# Altium PCB subboard.PcbDoc (part 1 of 2) (continued)
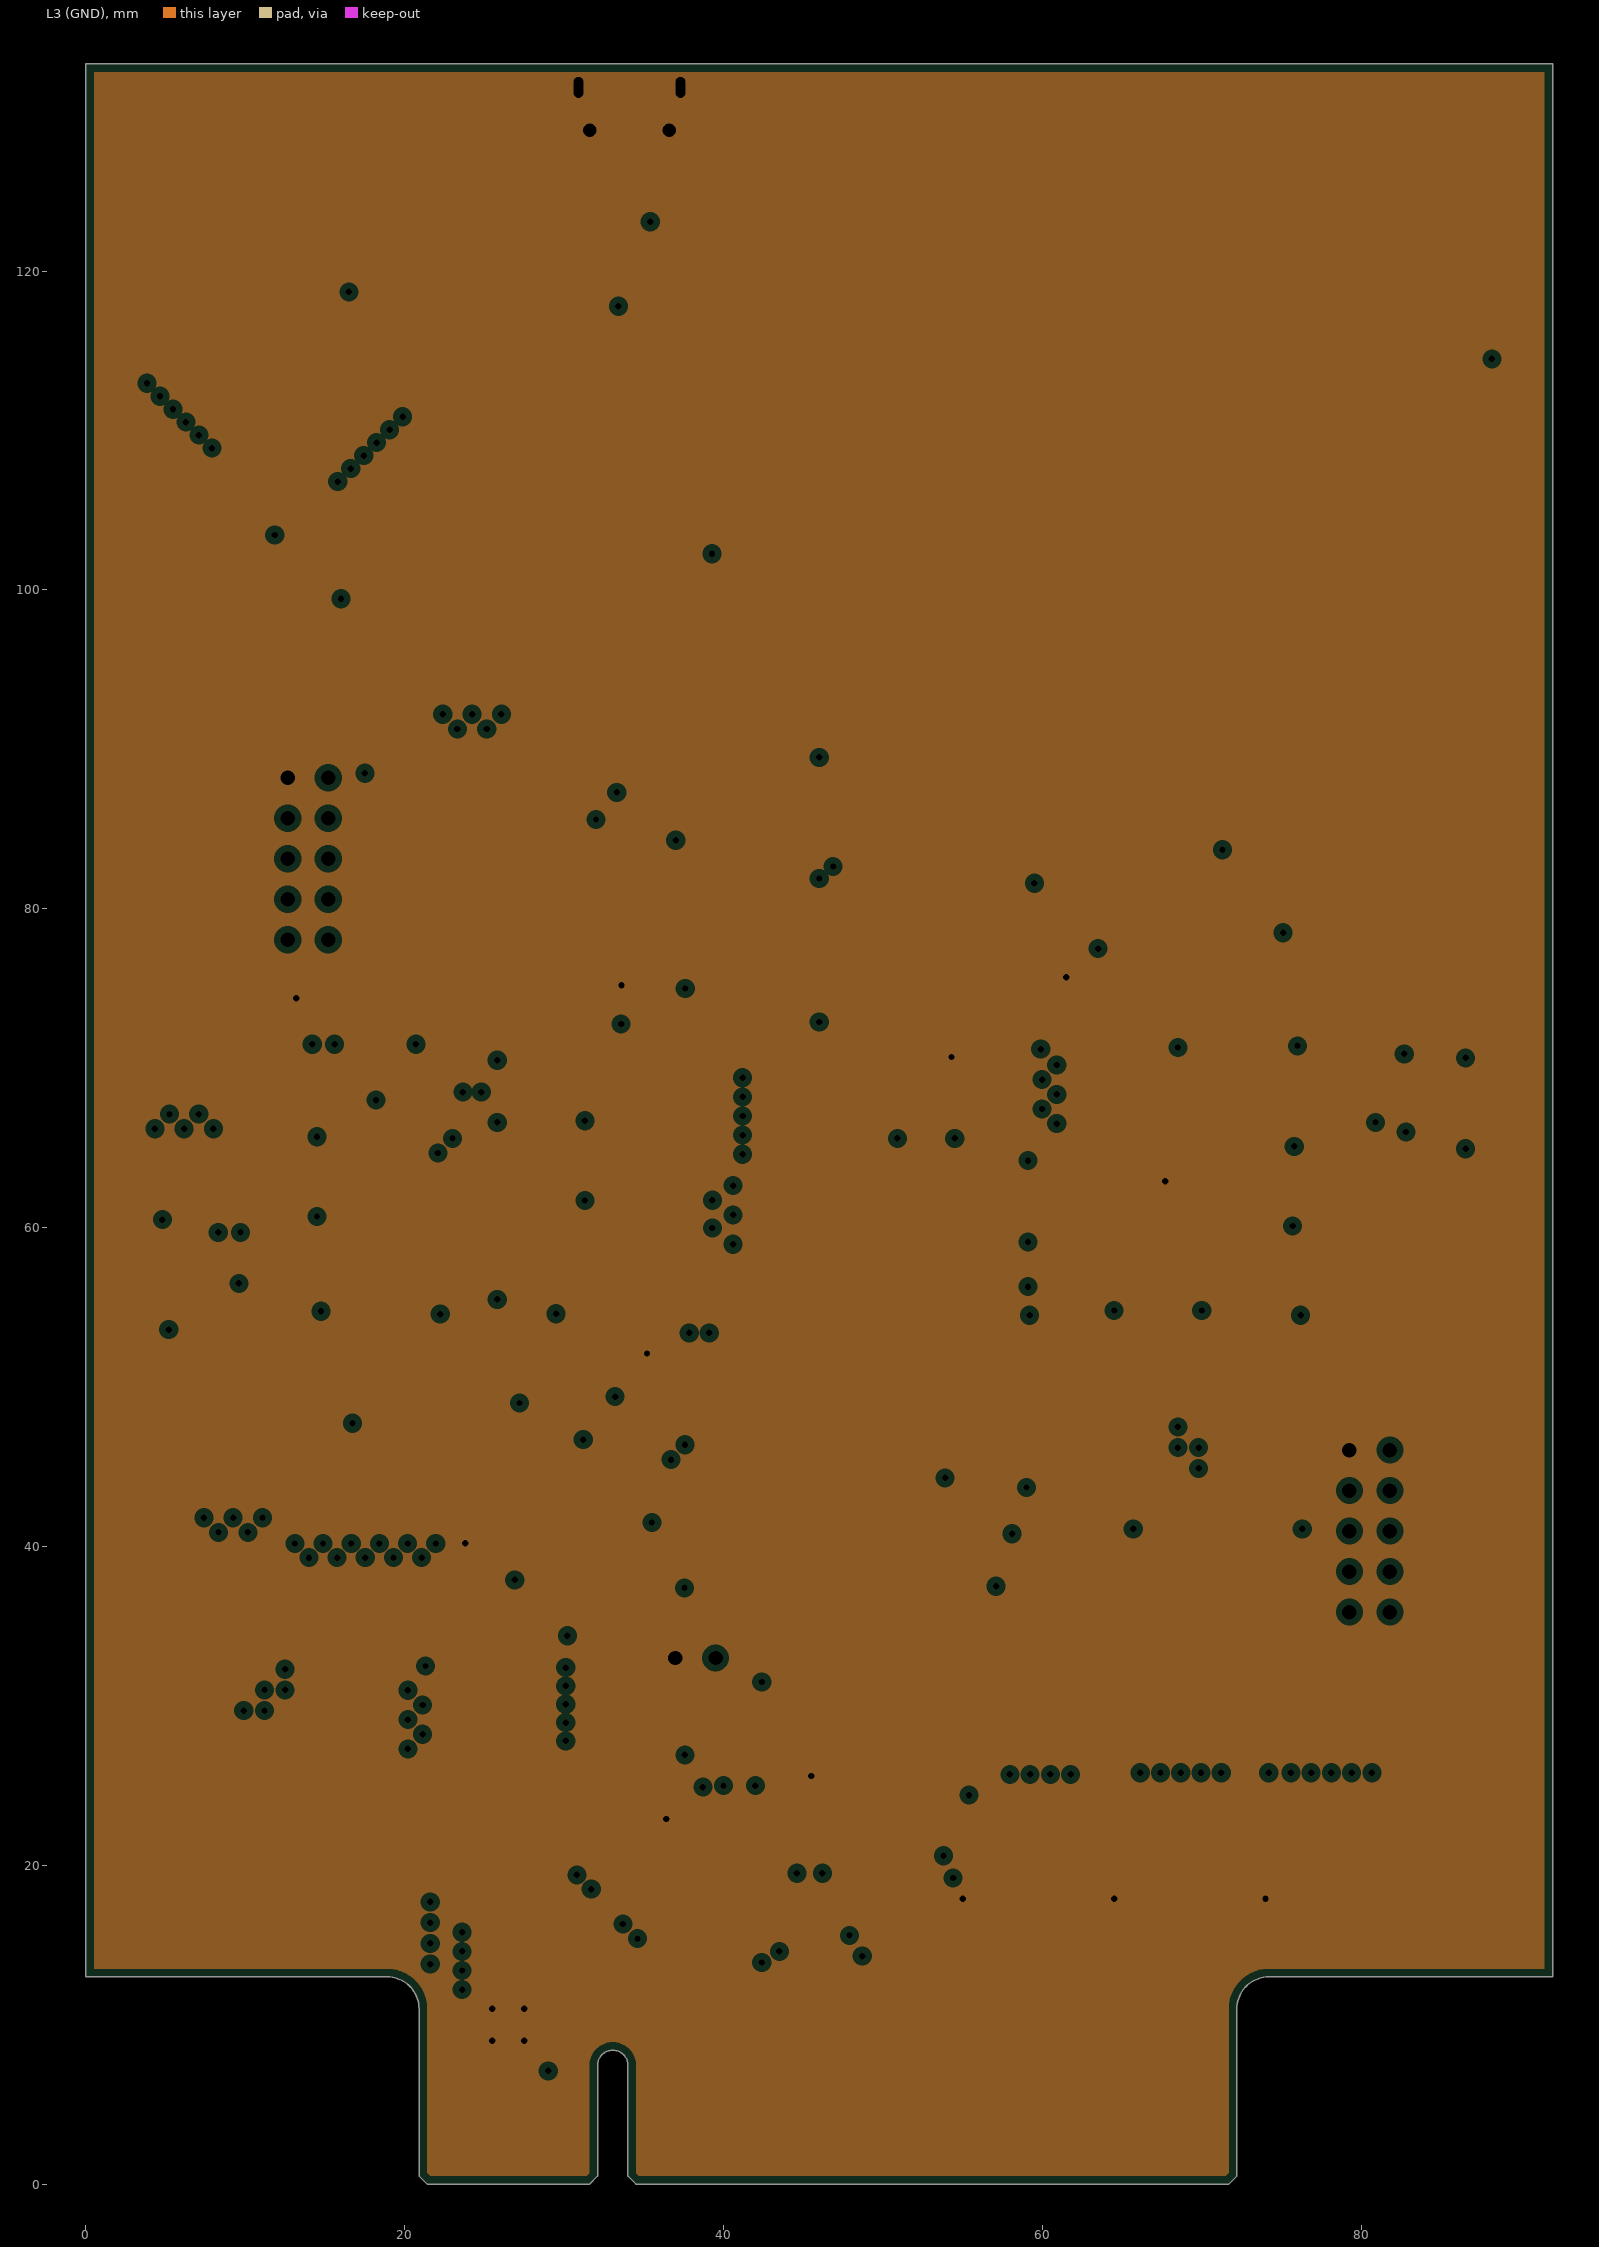
[diagram p3: L3 (GND), clearances drawn from the general rule]
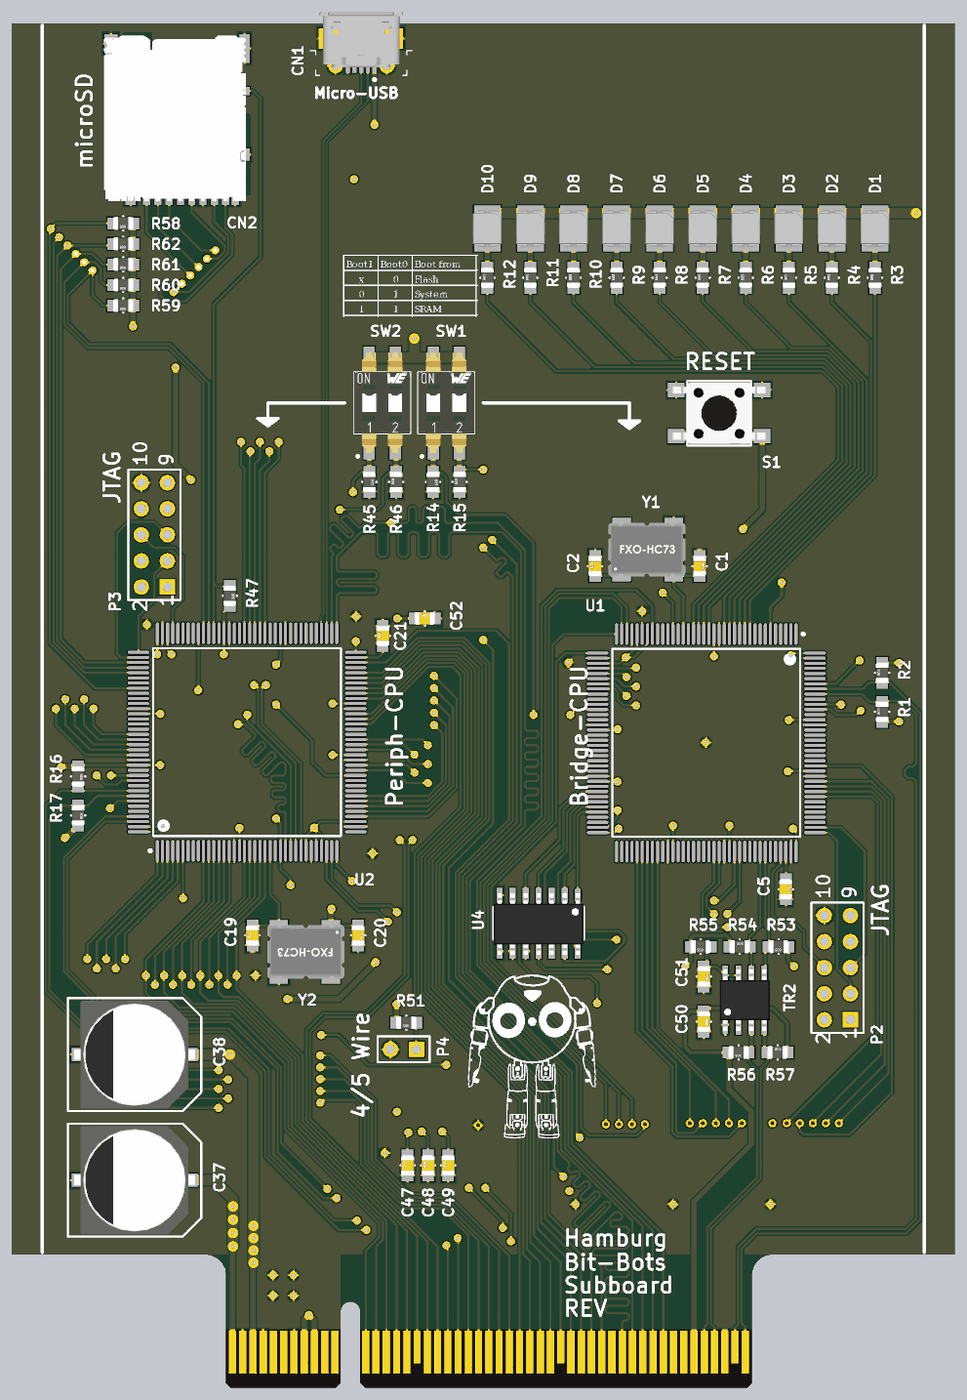
[diagram p5: 3D render of the assembled board from above, using the file's embedded part models]
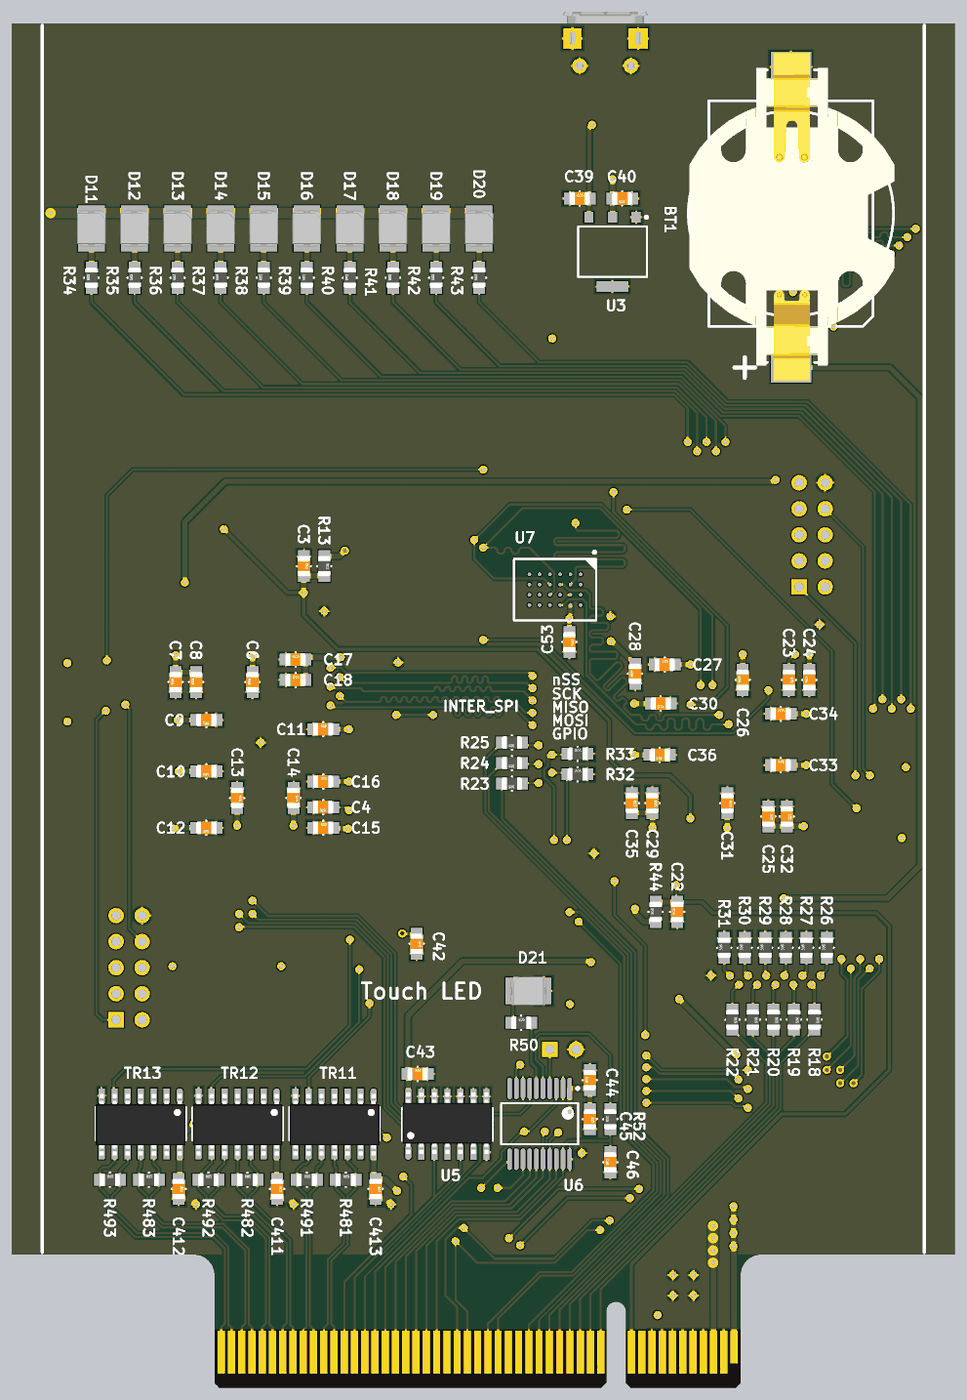
[diagram p6: 3D render of the assembled board from below, using the file's embedded part models]

## Layer stack, top to bottom
Top Solder: solder mask 0.0102, Solder Resist, Dk 3.5
L1: signal copper 0.018
Dielectric1: prepreg 0.36, FR-4, Dk 4.8
L2 (VCC): plane copper 0.035
Dielectric2: core 0.71, FR-4, Dk 4.2
L3 (GND): plane copper 0.035
Dielectric 3: prepreg 0.36, FR-4, Dk 4.2
L4: signal copper 0.018
Bottom Solder: solder mask 0.0102, Solder Resist, Dk 3.5

## Board outline
21.4,0 31.6,0 32.1,0.5 32.1,7.45 cw(c33.05,7.45) 34,7.45 34,0.5 34.5,0 71.7,0 72.2,0.5 72.2,11 cw(c74.2,11) 74.2,13 92,13 92,133 0,133 0,13 18.9,13 cw(c18.9,11) 20.9,11 20.9,0.5

## Design rules (kind name [scope] priority, off if disabled: settings)
AssemblyTestPointUsage [All] p1: allowmultiple=TRUE
AssemblyTestpoint [All] p1: testpointundercomponent=TRUE minsize=1.016 maxsize=2.54 preferedsize=1.524 minholesize=0 maxholesize=1.016 preferedholesize=0.813 testpointgrid=0.025 usegrid=FALSE gridtolerance=0 allowsidetop=TRUE allowsidebottom=TRUE
Clearance Clearance-xPP-xTP-xTT [All] p1: gap=0.15
ComponentClearance [All] p1: gap=0.25 collisioncheckmode=3 verticalgap=0.25 showdistances=TRUE
DiffPairsRouting [All] p1: maxlimit=0.254 minlimit=0.1 mostfreqgap=0.15 toplayer_minwidth=0.1 toplayer_maxwidth=0.3 toplayer_prefwidth=0.152 bottomlayer_minwidth=0.1 bottomlayer_maxwidth=0.3 bottomlayer_prefwidth=0.152 maxuncoupledlength=12.7
FabricationTestPointUsage [All] p1: valid=0 allowmultiple=TRUE
FabricationTestpoint [All] p1: side=3 testpointundercomponent=TRUE minsize=1.016 maxsize=2.54 preferedsize=1.524 minholesize=0 maxholesize=1.016 preferedholesize=0.813 testpointgrid=0.025 allowsidetop=TRUE allowsidebottom=TRUE usegrid=FALSE gridtolerance=0
Height [All] p1: minheight=0 maxheight=25 prefheight=12.5
HoleSize HoleSize-PTH [All] p1: absolutevalues=TRUE maxlimit=2 minlimit=0.25 maxpercent=80.000 minpercent=20.000
HoleToHoleClearance [All] p1: gap=0.15 allowstackedmicrovias=TRUE
MinimumAnnularRing "Minimum IAR  >0.45mm" [((ObjectKind = 'Pad') OR (ObjectKind = 'Via')) And (Layer = 'MultiLayer') And (HoleDiameter > AsMM(0.45))] p1: minimumring=0.25 // minimum inner annular ring for pads > 0.45mm finished hole size
MinimumAnnularRing "Minimum IAR <=0.45mm" [((ObjectKind = 'Pad') OR (ObjectKind = 'Via')) And (Layer = 'MultiLayer') And (HoleDiameter <= AsMM(0.45))] p2: minimumring=0.2 // minimum inner annular ring for pads <= 0.45mm finished hole size
MinimumSolderMaskSliver [All] p1: minsoldermaskwidth=0.1
PlaneClearance PlaneClearance-IPI [All] p1: clearance=0.4
PlaneConnect [All] p1: planeconnectstyle=Direct reliefexpansion=0.4 reliefentries=4 reliefconductorwidth=0.2 reliefairgap=0.2
PolygonConnect PolygonConnect-xTW [All] p1: connectstyle=Relief reliefconductorwidth=0.2 reliefentries=4 polygonreliefangle="90 Angle" airgapwidth=0.254
RoutingCorners [All] p1: cornerstyle=45-Degree minsetback=2.5 maxsetback=2.5
RoutingVias "RoutingVias > 0.45mm" [(ObjectKind = 'Via') And (HoleDiameter > AsMM(0.45))] p1: holewidth=0.5 width=1 viastyle="Through Hole" minholewidth=0.45 minwidth=0.95 maxholewidth=0.9 maxwidth=1.4 // finishet hole size > 0.45mm
RoutingVias "RoutingVias <= 0.45mm" [(ObjectKind = 'Via') And (HoleDiameter <= AsMM(0.45))] p2: holewidth=0.3 width=0.8 viastyle="Through Hole" minholewidth=0.25 minwidth=0.7 maxholewidth=0.5 maxwidth=1 // finishet hole size <= 0.45mm
SilkToSilkClearance [All] p1: silktosilkclearance=0.2
SilkToSolderMaskClearance SilkscreenOverComponentPads [IsPad] p1: minsilkscreentomaskgap=0.2 clearancetoexposedcopper=TRUE
SolderMaskExpansion [All] p1: expansion=0.1
Width Width-UnderCPU [(WithinRoom('UnderCPU') Or WithinRoom('UnderCPU2')) And OnLayer('L1')] p1: maxlimit=0.254 minlimit=0.254 preferedwidth=0.254
Width Width-xTW [All] p2: maxlimit=1.5 minlimit=0.15 preferedwidth=0.2
15 further rules are at their usual default settings.

## Classes and differential pairs
component class "2nd Microcontroller": P3 R16 R17 U2
component class "Edge Connector": P1
component class "2nd Microcontroller": C24 C25 C26 C27 C28 C29 C30 C31 C32 C33 C34 C35 C36 R45 R46 SW2
component class TTL: C43 U5
component class "2nd Microcontroller": C19 C20 C21 C22 C23 D11 D12 D13 D14 D15 D16 D17 D18 D19 D20 R18 R19 R20 R21 R22 R23 R24 R25 R26 R27 R28 R29 R30 R31 R32 R33 R34 R35 R36 R37 R38 R39 R40 R41 R42 R43 R44 Y2
net class GPIO: BUT0 BUT1 BUT2 BUT3 BUT4 BUT5 BUT6 BUT7 GPIO0 GPIO1 GPIO2 GPIO3 GPIO4 GPIO5 GPIO6 GPIO7 GPIO8 GPIO9 GPIO10 GPIO11 GPIO12 GPIO13 GPIO14 GPIO15 LEDS0 LEDS1 LEDS2 LEDS3 LEDS4 LEDS5 LEDS6 LEDS7
net class SRL[3..1]: SRL1 SRL2 SRL3
component class "1st Microcontroller": BT1 C6 C7 C8 C9 C10 C11 C12 C13 C14 C15 C16 C17 C18 R14 R15 SW1
component class Touchscreen: C44 C45 C46 C47 C48 C49 D21 P4 R50 R51 R52 U6
net class USB: USB.D_N USB.D_P
net class UART: BRIDGE1.\RE BRIDGE1.DE BRIDGE1.H/F\ BRIDGE1.UART.RX BRIDGE1.UART.TX BRIDGE2.\RE BRIDGE2.DE BRIDGE2.H/F\ BRIDGE2.UART.RX BRIDGE2.UART.TX BRIDGE3.\RE BRIDGE3.DE BRIDGE3.H/F\ BRIDGE3.UART.RX BRIDGE3.UART.TX UART1.RX UART1.TX
net class SPI1: SPI1_1.\SS SPI1_1.GPIO SPI1_1.MISO SPI1_1.MOSI SPI1_1.SCK
net class SDCARD: SD-CARD.\CD SD-CARD.CLK SD-CARD.CMD SD-CARD.D0 SD-CARD.D1 SD-CARD.D2 SD-CARD.D3
net class LEDS[7..0]: LEDS0 LEDS1 LEDS2 LEDS3 LEDS4 LEDS5 LEDS6 LEDS7
net class JTAG: JTAG_1.\JTRST JTAG_1.JTCLK JTAG_1.JTDI JTAG_1.JTDO JTAG_1.JTMS JTAG_2.\JTRST JTAG_2.JTCLK JTAG_2.JTDI JTAG_2.JTDO JTAG_2.JTMS
net class I2C: I2C1.SCL I2C1.SDA I2C2.SCL I2C2.SDA
net class GPIO[15..0]: GPIO0 GPIO1 GPIO2 GPIO3 GPIO4 GPIO5 GPIO6 GPIO7 GPIO8 GPIO9 GPIO10 GPIO11 GPIO12 GPIO13 GPIO14 GPIO15
net class BUT[7..0]: BUT0 BUT1 BUT2 BUT3 BUT4 BUT5 BUT6 BUT7
component class "1st Microcontroller": C1 C2 C3 C4 C5 D1 D2 D3 D4 D5 D6 D7 D8 D9 D10 R3 R4 R5 R6 R7 R8 R9 R10 R11 R12 R13 S1 Y1
component class "1st Microcontroller": P2 R1 R2 U1
component class PCIE-Connector: C37 C38 C39 C40 CN1 CN2 P1 R47 R58 R59 R60 R61 R62 U3
net class Bridge1: BRIDGE1.\RE BRIDGE1.DE BRIDGE1.H/F\ BRIDGE1.UART.RX BRIDGE1.UART.TX
net class Bridge2: BRIDGE2.\RE BRIDGE2.DE BRIDGE2.H/F\ BRIDGE2.UART.RX BRIDGE2.UART.TX
net class Bridge3: BRIDGE3.\RE BRIDGE3.DE BRIDGE3.H/F\ BRIDGE3.UART.RX BRIDGE3.UART.TX
net class SPI: SPI1.MISO SPI1.MOSI SPI1_1.\SS SPI1_1.GPIO SPI1_1.MISO SPI1_1.MOSI SPI1_1.SCK SPI2.\SS SPI2.GPIO SPI2.SCK
net class SPI2: SPI1.MISO SPI1.MOSI SPI2.\SS SPI2.GPIO SPI2.SCK
net class UART1: UART1.RX UART1.TX
net class TTL: TTL_BRIDGE.EN_RX TTL_BRIDGE.EN_TX TTL_BRIDGE.UART.RX TTL_BRIDGE.UART.TX
component class RS485_1: C411 R48 R481 R491 TR1 TR11
component class RS485_3: C413 R48 R483 R493 TR1 TR13
component class "SRL Chooser": C42 U4
channel class rs485: RS485-1 RS485-2 RS485-3
net class RS485: A1_N A1_P A2_N A2_P A3_N A3_P Y1_N Y1_P Y2_N Y2_P Y3_N Y3_P
differential pair class Diff120: A_A A_B A_C Y_A Y_B Y_C
differential pair class Diff90: USB.D
component class "UART TRANSLATOR": C50 C51 R53 R54 R55 R56 R57 TR2
component class RS485_2: C412 R48 R482 R492 TR1 TR12
component class Flash: C52 C53 U7
component class TopLevel: Logo
differential pair Y3: +Y3_P -Y3_N
differential pair Y2: +Y2_P -Y2_N
differential pair Y1: +Y1_P -Y1_N
differential pair A3: +A3_P -A3_N
differential pair A2: +A2_P -A2_N
differential pair A1: +A1_P -A1_N
differential pair USB.D: +USB.D_P -USB.D_N

## Components (designator, comment, footprint, x,y, rotation, side; value= is the part's Value field where it differs from the comment)
BT1 "Battery" "2032 SMD HOLDER" 16,99.45 r270 bottom locked
C1 "15pF" C2012 67.1,80.1 r270 top
C2 "100nF" C2012 56.9,80.1 r90 top
C3 "100nF" C2012 63.5,80.1 r270 bottom
C4 "2.2uF" C2012 61.6,56.6 r0 bottom locked
C5 "2.2uF" C2012 75.5,48.6 r270 top locked
C6 "100nF" C2012 68.5,68.8 r90 bottom
C7 "100nF" C2012 76,68.8 r90 bottom
C8 "100nF" C2012 74,68.8 r90 bottom
C9 "100nF" C2012 73,65.1 r0 bottom
C10 "100nF" C2012 73,60.1 r0 bottom
C11 "100nF" C2012 61.6,64.2 r180 bottom
C12 "100nF" C2012 73,54.6 r0 bottom
C13 "100nF" C2012 70,57.5 r270 bottom
C14 "100nF" C2012 64.5,57.5 r270 bottom
C15 "100nF" C2012 61.6,54.6 r180 bottom
C16 "100nF" C2012 61.6,59.1 r180 bottom
C17 "100nF" C2012 64.3,71 r180 bottom
C18 "100nF" C2012 64.3,69 r180 bottom
C19 "15pF" C2012 23.5,44.1 r90 top locked
C20 "100nF" C2012 33.8,44.1 r270 top
C21 "2.2uF" C2012 36.2,73.3 r90 top locked
C22 "100nF" C2012 27.1,46.4 r90 bottom locked
C23 "2.2uF" C2012 16.2,69 r270 bottom locked
C24 "100nF" C2012 14.2,69 r90 bottom
C25 "100nF" C2012 18.2,55.7 r270 bottom
C26 "100nF" C2012 20.7,69 r90 bottom
C27 "100nF" C2012 28.3,70.5 r180 bottom
C28 "100nF" C2012 31.2,69.6 r90 bottom
C29 "100nF" C2012 29.5,57 r270 bottom
C30 "100nF" C2012 28.7,66.7 r0 bottom
C31 "100nF" C2012 22.2,57 r270 bottom
C32 "100nF" C2012 16.4,55.7 r270 bottom locked
C33 "100nF" C2012 17,60.7 r180 bottom
C34 "100nF" C2012 17,65.7 r180 bottom
C35 "100nF" C2012 31.5,57 r270 bottom
C36 "100nF" C2012 28.8,61.7 r0 bottom
C37 "330uF" "CAP 10MM" 12,20.25 r180 top
C38 "330uF" "CAP 10MM" 12,32.5 r180 top
C39 "100nF" C2012 36.6,115.925 r180 bottom locked
C40 "10uF" C2012 32.45,115.925 r0 bottom
C42 "1uF" C2012 52.5,43.3 r270 bottom
C43 "1uF" C2012 52.4,30.6 r180 bottom locked
C44 "10uF" C2012 35.6,30 r90 bottom
C45 "100nF" C2012 35.6,26.2 r270 bottom
C46 "10nF" C2012 33.6,22 r90 bottom locked
C47 "10nF" C2012 38.625,21.7 r90 top locked
C48 "10nF" C2012 40.625,21.7 r90 top locked
C49 "10nF" C2012 42.575,21.7 r90 top locked
C50 "1uF" C2012 67.5,35.7 r270 top locked
C51 "1uF" C2012 67.5,40.1 r270 top locked
C52 "10uF" C2012 40.3,75 r0 top
C53 "100nF" C2012 37.6,72.7 r270 bottom
C411 "1uF" C2012 66.1,19.4 r270 bottom (schematic designator C41)
C412 "1uF" C2012 75.7,19.4 r270 bottom (schematic designator C41)
C413 "1uF" C2012 56.5,19.4 r270 bottom (schematic designator C41)
CN1 "Micro-USB" USB-MICROB 34.1,130.2 r180 top locked
CN2 "microSD" MICROSD 21.15,118.35 r180 top
D1 "Green" MLCC2 84.2,113 r270 top
D2 "Green" MLCC2 80,113 r270 top
D3 "Green" MLCC2 75.8,113 r270 top
D4 "Green" MLCC2 71.6,113 r270 top
D5 "Green" MLCC2 67.4,113 r270 top
D6 "Green" MLCC2 63.2,113 r270 top
D7 "Green" MLCC2 59,113 r270 top
D8 "Green" MLCC2 54.8,113 r270 top
D9 "Green" MLCC2 50.6,113 r270 top
D10 "Green" MLCC2 46.4,113 r270 top
D11 "Green" MLCC2 84.2,113 r270 bottom
D12 "Green" MLCC2 80,113 r270 bottom
D13 "Green" MLCC2 75.8,113 r270 bottom
D14 "Green" MLCC2 71.6,113 r270 bottom
D15 "Green" MLCC2 67.4,113 r270 bottom
D16 "Green" MLCC2 63.2,113 r270 bottom
D17 "Green" MLCC2 59,113 r270 bottom
D18 "Green" MLCC2 54.8,113 r270 bottom
D19 "Green" MLCC2 50.6,113 r270 bottom
D20 "Green" MLCC2 46.4,113 r270 bottom
D21 "Touch LED" MLCC2 41.6,38.7 r180 bottom
Logo "Hamburg Bit-Bots Logo" Logo 50.8,35.7 r0 top
P1 "PCIeX8-GF-2D-1000-1K-O98" PCIeX8-GF-2D-1000-1K-O98 31.05,3.5 r0 top locked
P2 "JTAG" HDR2X5 81.8,35.88 r90 top locked
P3 "JTAG" HDR2X5 15.2,78.06 r90 top locked
P4 "4/5 Wire" HDR1X2 39.5,33 r180 top
R1 "2k2" R2012 84.9,65.9 r90 top locked
R2 "2k2" R2012 84.9,69.7 r90 top locked
R3 "1k" R2012 84.2,108.2 r90 top locked
R4 "1k" R2012 80,108.2 r90 top locked
R5 "1k" R2012 75.8,108.2 r90 top locked
R6 "1k" R2012 71.6,108.2 r90 top locked
R7 "1k" R2012 67.4,108.2 r90 top locked
R8 "1k" R2012 63.2,108.2 r90 top locked
R9 "1k" R2012 59,108.2 r90 top locked
R10 "1k" R2012 54.8,108.2 r90 top locked
R11 "1k" R2012 50.6,108.2 r90 top locked
R12 "1k" R2012 46.4,108.2 r90 top locked
R13 "4k7" R2012 61.5,80.1 r270 bottom
R14 "10k" R2012 41.1,88.3 r270 top locked
R15 "10k" R2012 43.7,88.3 r90 top locked
R16 "2k2" R2012 6.5,59.6 r270 top locked
R17 "2k2" R2012 6.5,55.8 r270 top locked
R18 "470R" R2012 13.7,35.9 r270 bottom locked
R19 "470R" R2012 15.7,35.9 r270 bottom locked
R20 "470R" R2012 17.7,35.9 r270 bottom locked
R21 "470R" R2012 19.7,35.9 r270 bottom locked
R22 "470R" R2012 21.7,35.9 r270 bottom locked
R23 "470R" R2012 43.2,58.9 r0 bottom locked
R24 "470R" R2012 43.2,60.9 r0 bottom locked
R25 "470R" R2012 43.2,62.9 r0 bottom locked
R26 "10k" R2012 12.5,42.9 r90 bottom locked
R27 "10k" R2012 14.5,42.9 r90 bottom locked
R28 "10k" R2012 16.5,42.9 r90 bottom locked
R29 "10k" R2012 18.5,42.9 r90 bottom locked
R30 "10k" R2012 20.5,42.9 r90 bottom locked
R31 "10k" R2012 22.5,42.9 r90 bottom locked
R32 "10k" R2012 36.8,59.8 r180 bottom locked
R33 "10k" R2012 36.8,61.8 r180 bottom locked
R34 "1k" R2012 84.2,108.2 r90 bottom locked
R35 "1k" R2012 80,108.2 r90 bottom locked
R36 "1k" R2012 75.8,108.2 r90 bottom locked
R37 "1k" R2012 71.6,108.2 r90 bottom locked
R38 "1k" R2012 67.4,108.2 r90 bottom locked
R39 "1k" R2012 63.2,108.2 r90 bottom locked
R40 "1k" R2012 59,108.2 r90 bottom locked
R41 "1k" R2012 54.8,108.2 r90 bottom locked
R42 "1k" R2012 50.6,108.2 r90 bottom locked
R43 "1k" R2012 46.4,108.2 r90 bottom locked
R44 "4k7" R2012 29.2,46.4 r90 bottom
R45 "10k" R2012 34.9,88.3 r270 top locked
R46 "10k" R2012 37.5,88.3 r90 top locked
R47 "10k" R2012 21.3,77.2 r270 top
R50 "4k7" R2012 42.3,35.6 r180 bottom locked
R51 "10k" R2012 38.5,35.6 r180 top locked
R52 "20k" R2012 33.6,26.2 r90 bottom locked
R53 "1k" R2012 74.8,43 r180 top locked
R54 "1k" R2012 71,43 r0 top locked
R55 "200k" R2012 67.2,43 r180 top
R56 "470R" R2012 70.9,32.7 r180 top locked
R57 "470R" R2012 74.7,32.7 r0 top locked
R58 "4k7" R2012 10.9,113.5 r180 top
R59 "4k7" R2012 10.9,105.5 r180 top
R60 "4k7" R2012 10.9,107.5 r180 top
R61 "4k7" R2012 10.9,109.5 r180 top
R62 "4k7" R2012 10.9,111.5 r180 top
R481 "120R" R2012 59.4,20.3 r180 bottom locked (schematic designator R48)
R482 "120R" R2012 69,20.3 r180 bottom locked (schematic designator R48)
R483 "120R" R2012 78.6,20.3 r180 bottom locked (schematic designator R48)
R491 "120R" R2012 63.2,20.3 r180 bottom locked (schematic designator R49)
R492 "120R" R2012 72.8,20.3 r180 bottom locked (schematic designator R49)
R493 "120R" R2012 82.4,20.3 r180 bottom locked (schematic designator R49)
S1 "RESET" SWITCH 69,95 r180 top
SW1 "418121270802" 418121270802 42.4,96 r0 top
SW2 "418121270802" 418121270802 36.15,96 r0 top
TR2 "GTL2002" SOIC8 69.6,35.4 r90 top
TR11 "MAX3079" SOIC14 60.5,25.75 r270 bottom (schematic designator TR1)
TR12 "MAX3079" SOIC14 69.95,25.75 r270 bottom (schematic designator TR1)
TR13 "MAX3079" SOIC14 79.4,25.75 r270 bottom (schematic designator TR1)
U1 "STM32F407ZGT6J" STM-LQFP144_M 67.75,62.875 r270 top locked
U2 "STM32F407ZGT6J" STM-LQFP144_M 22.975,62.95 r90 top locked
U3 "NCP1117ST33T3G" ONSC-SOT-223_L 33.4,110.725 r270 bottom
U4 "74HC126" SOIC14 51.4,45.3 r270 top
U5 "74HC126" SOIC14 49.5,25.7 r90 bottom
U6 "AR1021T-I/SS" MCHP-SSOP-SS20_N 40.5,25.75 r270 bottom
U7 "S25FL512SAGBHI310" SPSN-FAC024 39,77.8 r270 bottom
Y1 "FXO-HC736R-16" FXO-HC73 59.5,83.8 r0 top locked
Y2 "FXO-HC736R-16" FXO-HC73 31.15,40.4 r180 top

## Footprints (in the part's own frame and the unit in brackets; to place one, negate y for a bottom-side part, rotate by r counter-clockwise, add the part's x,y. Pads: shape width x height; smd on the part's side, far side on the other; paste and mask are expansions set on the pad)
"2032 SMD HOLDER" [mil]
  rect 115x155 smd: 1(0,0) 2(-1153.54,0)
  silkscreen extent -1142,-394 39,394, body extent -1209,-390 51,398, height 209
418121270802 [mm] "02p, 2.54mm Pitch, Horizontal, IC Type, SMT, raised Actuator, black, without Tape, T&R"
  rect 1.1x2.2 smd: 1(-1.27,-4.4) 2(1.27,-4.4) 3(1.27,4.4) 4(-1.27,4.4)
  silkscreen extent -2.76,-5.31 2.76,3, body extent -2.76,-4.85 2.76,4.85, height 4.37
C2012 [mm]
  rect 1.2x1.14 smd: 1(-0.95,0) 2(0.95,0)
  silkscreen extent 0,-0.7 0,0.7, body extent -1,-0.62 1,0.63, height 0.78
"CAP 10MM" [mm]
  rect 3.9x1.3 smd: 1(-4.2,0) 2(4.2,0)
  silkscreen extent -6.5,-5.5 6.5,5.5, body extent -5.9,-5.25 5.9,5.25, height 10.5
FXO-HC73 [mm]
  rect 1.8x2 smd: 1(0,0) 2(5.08,0) 3(5.08,-4.2) 4(0,-4.2)
  silkscreen extent 0.2,-3 4.8,-1, body extent -1.3,-4.71 6.2,0.51, height 1.41
HDR1X2 [mm] "Connector; Header; 2 Position"
  rect 1.5x1.5 hole 0.9: 1(0,0)
  round 1.5 hole 0.9: 2(2.54,0)
  silkscreen extent -1.27,-1.27 3.81,1.27
HDR2X5 [mm] "Connector; Header; 5x2 Position"
  rect 1.5x1.5 hole 0.9: 1(0,0)
  round 1.5 hole 0.9: 2(0,2.54) 3(2.54,0) 4(2.54,2.54) 5(5.08,0) 6(5.08,2.54) 7(7.62,0) 8(7.62,2.54) 9(10.16,0) 10(10.16,2.54)
  silkscreen extent -1.27,-1.27 11.43,3.81
Logo [mm] "Logo of Hamburg Bit-Bots"
  silkscreen extent -6.31,-11.39 6.2,4.6
MCHP-SSOP-SS20_N [mm] "SOP, 20-Leads, Body 7.2x5.3mm, Pitch 0.65mm, IPC Medium Density"
  oval 2.1x0.45 smd: 1(-3.45,2.925) 2(-3.45,2.275) 3(-3.45,1.625) 4(-3.45,0.975) 5(-3.45,0.325) 6(-3.45,-0.325) 7(-3.45,-0.975) 8(-3.45,-1.625) 9(-3.45,-2.275) 10(-3.45,-2.925) 11(3.45,-2.925) 12(3.45,-2.275) 13(3.45,-1.625) 14(3.45,-0.975) 15(3.45,-0.325) 16(3.45,0.325) 17(3.45,0.975) 18(3.45,1.625) 19(3.45,2.275) 20(3.45,2.925)
  silkscreen extent -3.57,-3.75 2,3.82, body extent -2.8,-3.75 2.8,3.75, height 2